# KiCad board Navigator-BMS.kicad_pcb
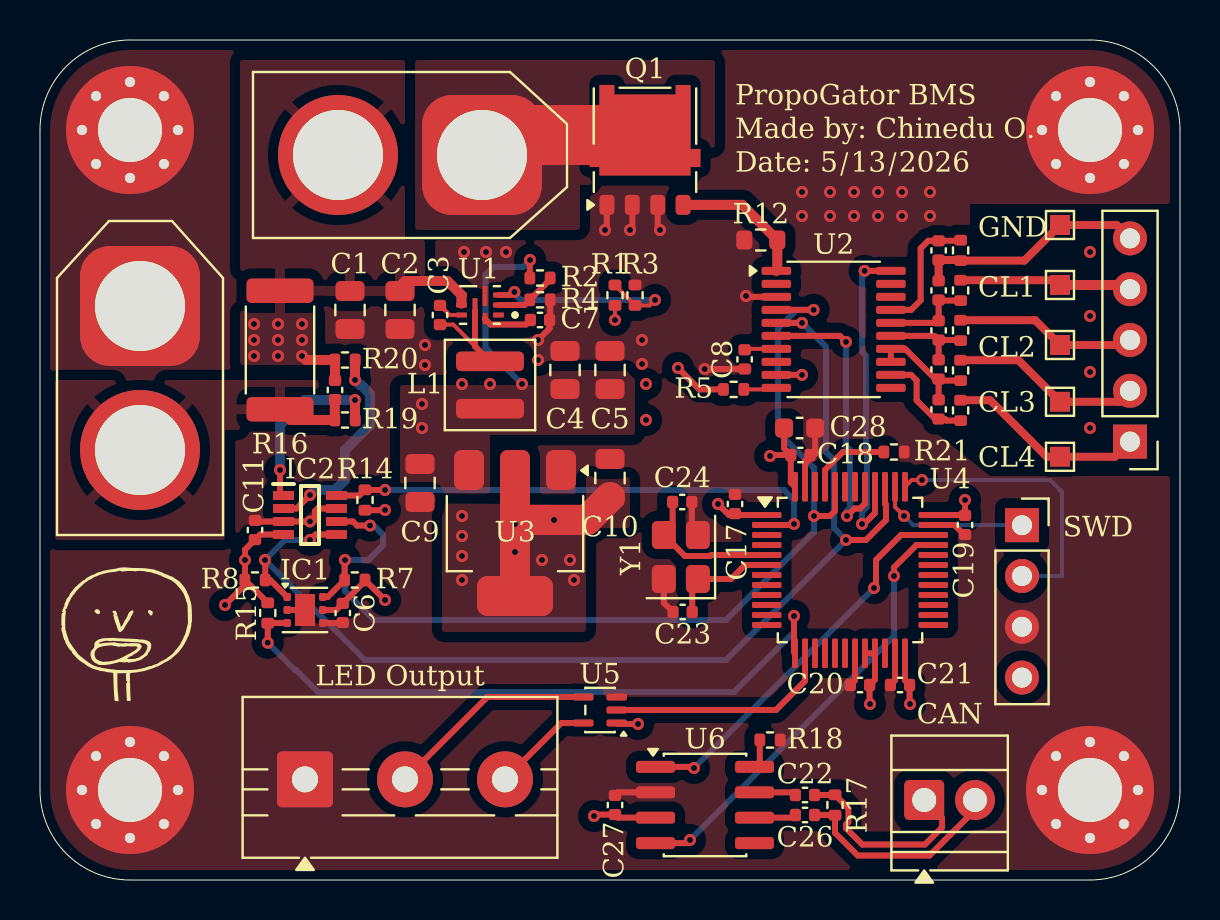
[diagram p0: board, top side]
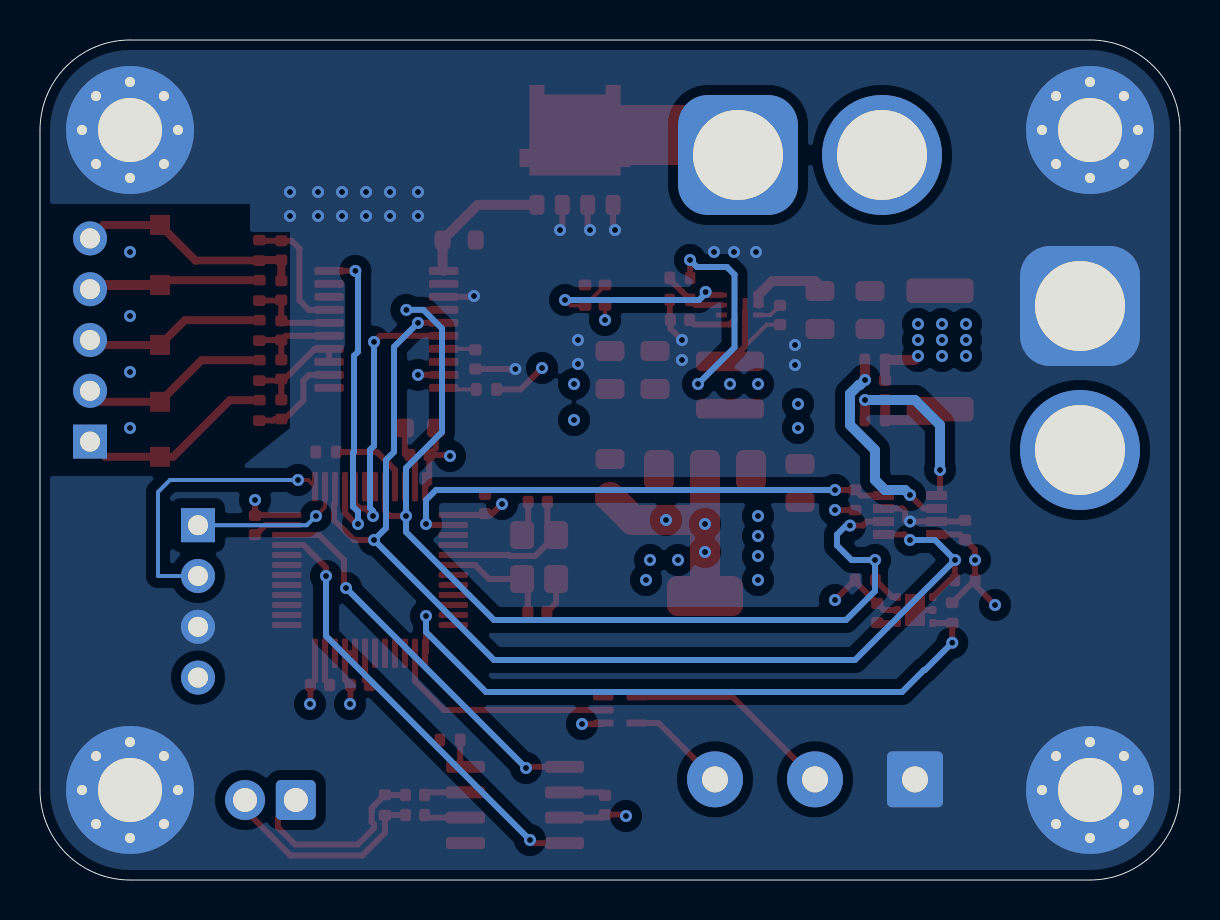
[diagram p1: board, bottom side, seen from below]

Outline 57 x 42 mm; copper layers: Top, In1.Cu, In2.Cu, Bottom. Coordinates in mm from the lower left corner of the outline.
Outline path: 0,37.5 arc(1.32,40.68) 4.5,42 52.5,42 arc(55.68,40.68) 57,37.5 57,4.5 arc(55.68,1.32) 52.5,0 4.5,0 arc(1.32,1.32) 0,4.5 0,37.5
Stack: Top 0.035mm / dielectric 0.1mm FR4 er 4.5 / In1.Cu 0.035mm / dielectric 1.24mm FR4 er 4.5 / In2.Cu 0.035mm / dielectric 0.1mm FR4 er 4.5 / Bottom 0.035mm

## Placement (name value [footprint] x y rotation side)
C1  22uF  [C_0805_2012Metric]  15.5 28.5 270 top
C2  22uF  [C_0805_2012Metric]  18 28.5 270 top
C3  100nF  [C_0402_1005Metric]  20 28.25 270 top
C4  47uF  [C_0805_2012Metric]  26.25 25.5 90 top
C5  47uF  [C_0805_2012Metric]  28.5 25.5 90 top
C6  100nF  [C_0402_1005Metric]  15.14 13.35 270 top
C7  10nF  [C_0402_1005Metric]  25 28 180 top
C8  C  [C_0402_1005Metric]  35.23 26.03 270 top
C9  10uF  [C_0805_2012Metric]  19 19.85 270 top
C10  10uF  [C_0805_2012Metric]  28.5 20.1 90 top
C11  100nF  [C_0402_1005Metric]  10.75 17.5 90 top
C12  1uF  [C_0402_1005Metric]  44.93 23.53 90 top
C13  1uF  [C_0402_1005Metric]  44.93 25.53 90 top
C14  1uF  [C_0402_1005Metric]  44.93 27.48 90 top
C15  1uF  [C_0402_1005Metric]  44.93 29.48 90 top
C16  1uF  [C_0402_1005Metric]  44.93 31.48 90 top
C17  100nF  [C_0402_1005Metric]  34.75 18.8 90 top
C18  100nF  [C_0402_1005Metric]  38.02 21.25 0 top
C19  100nF  [C_0402_1005Metric]  46.25 17.75 270 top
C20  100nF  [C_0402_1005Metric]  41 9.75 180 top
C21  100nF  [C_0402_1005Metric]  43 9.75 180 top
C22  500pF  [C_0402_1005Metric]  38.25 4.25 0 top
C23  30pF  [C_0402_1005Metric]  32.13 13.4 180 top
C24  30pF  [C_0402_1005Metric]  32.11 18.9 0 top
C25  100nF  [C_0402_1005Metric]  14.75 24.5 270 top
C26  500pF  [C_0402_1005Metric]  38.25 3.25 180 top
C27  100nF  [C_0402_1005Metric]  28.75 3.75 90 top
C28  4.7uF  [C_0603_1608Metric]  37.98 22.6 0 top
CAN  CAN  [TerminalBlock_Xinya_XY308-2.54-2P_1x02_P2.54mm_Horizontal]  44.21 4 0 top
CEEL1  T  [TestPoint_Pad_1.0x1.0mm]  51 29.75 0 top
CELL1  T  [TestPoint_Pad_1.0x1.0mm]  51 21.16 0 top
CELL2  T  [TestPoint_Pad_1.0x1.0mm]  51 23.91 0 top
CELL3  T  [TestPoint_Pad_1.0x1.0mm]  51 26.75 0 top
G***  LOGO  [feet pics]  4.75 12.75 0 top
GND1  T  [TestPoint_Pad_1.0x1.0mm]  51 32.75 0 top
H1  M1  [MountingHole_3.2mm_M3_Pad_Via]  4.5 37.5 0 top
H2  M2  [MountingHole_3.2mm_M3_Pad_Via]  52.5 37.5 0 top
H3  M3  [MountingHole_3.2mm_M3_Pad_Via]  52.5 4.5 0 top
H4  M4  [MountingHole_3.2mm_M3_Pad_Via]  4.5 4.5 0 top
IC1  TMP117xxDRV  [WSON-6-1EP_2x2mm_P0.65mm_EP1x1.6mm]  13.25 13.5 0 top
IC2  INA236AIDDFR  [SOP65P280X110-8N]  13.5 18.25 0 top
J1  Conn_01x05  [PinHeader_1x05_P2.54mm_Vertical]  54.5 21.92 180 top
J3  CAN  [AMASS_XT60-F_1x02_P7.20mm_Vertical]  5 28.7 270 top
J4  CAN  [AMASS_XT60-F_1x02_P7.20mm_Vertical]  22.1 36.25 180 top
L1  L  [L_Coilcraft_XAL4020-XXX]  22.5 24.75 270 top
LED Output  Conn_01x03  [TerminalBlock_MaiXu_MX126-5.0-03P_1x03_P5.00mm]  13.25 5.03 0 top
Q1  NTMFS016N06CT1G  [ONSemi_SO-8FL_488AA]  30.25 36.5 90 top
R1  47k  [R_0402_1005Metric]  28.75 29.24 90 top
R2  220k  [R_0402_1005Metric]  25 30.1 0 top
R3  10k  [R_0402_1005Metric]  29.75 29.24 90 top
R4  30k  [R_0402_1005Metric]  25 29.01 0 top
R5  100  [R_0402_1005Metric]  34.68 24.53 180 top
R6  100  [R_0402_1005Metric]  46.03 23.48 270 top
R7  4.7k  [R_0402_1005Metric]  15.74 15 180 top
R8  4.7k  [R_0402_1005Metric]  10.75 15 0 top
R9  100  [R_0402_1005Metric]  46.03 25.48 270 top
R10  100  [R_0402_1005Metric]  46.03 27.48 270 top
R11  100  [R_0402_1005Metric]  46.03 29.48 270 top
R12  1M  [R_0603_1608Metric]  36.04 32 180 top
R13  100  [R_0402_1005Metric]  46.03 31.48 90 top
R14  4.7k  [R_0402_1005Metric]  16.25 19 90 top
R15  4.7k  [R_0402_1005Metric]  11.39 13.35 270 top
R16  10m  [R_2512_6332Metric]  12 26.5 270 top
R17  120  [R_0402_1005Metric]  39.75 3.75 270 top
R18  0  [R_0402_1005Metric]  36.5 7 0 top
R19  100  [R_0402_1005Metric]  15.25 23 180 top
R20  100  [R_0402_1005Metric]  15.25 26 180 top
R21  4.7k  [R_0402_1005Metric]  42.7 21.4 180 top
SWD  Conn_01x04  [PinSocket_1x04_P2.54mm_Vertical]  49.1 17.74 0 top
U1  -  [TPS566238RQFR]  22 28.75 180 top
U2  BQ76920PW  [TSSOP-20_4.4x6.5mm_P0.65mm]  39.68 27.53 0 top
U3  AMS1117-3.3  [SOT-223-3_TabPin2]  23.75 17.35 270 top
U4  STM32G441CBTx  [LQFP-48_7x7mm_P0.5mm]  40.5 15.5 0 top
U5  SN74AUP1T34DCK  [SOT-353_SC-70-5]  28 8.5 180 top
U6  MCP2551-I-SN  [SOIC-8_3.9x4.9mm_P1.27mm]  33.25 3.75 0 top
Y1  Crystal_GND24  [Crystal_SMD_3225-4Pin_3.2x2.5mm]  32.04 16.15 90 top

## Library data of the parts
C1-C28 = -: Description: Unpolarized capacitor; KiLib_Generator: SMD_2terminal_chip_molded; ki_fp_filters: C_*
CAN = -: Description: Generic connector, single row, 01x02, script generated (kicad-library-utils/schlib/autogen/connector/); KiLib_Generator: terminal_block/Xinya; ki_fp_filters: Connector*:*_1x??_*
CEEL1 CELL1-CELL3 GND1 = -: Description: test point; ki_fp_filters: Pin* Test*
H1-H4 = -: Description: Mounting Hole with connection; KiLib_Generator: mounting_hardware/mounting_hole; ki_fp_filters: MountingHole*Pad*
IC1 = -: Datasheet: https://www.ti.com/lit/ds/symlink/tmp117.pdf; Description: Digital Temperature Sensor with I2C/SMBus Interface, 16 bits, ±0.3°C, one-shot conversion, alert, nist traceable, EEPROM, WSON; KiLib_Generator: package/no_lead; ki_fp_filters: WSON*1EP?2x2mm?P0.65mm?EP1x1.6mm*
IC2 = -: Datasheet: https://www.ti.com/lit/ds/symlink/ina232.pdf?ts=1699312390876&ref_url=https%253A%252F%252Fwww.ti.com%252Fproduct%252FINA232%253Futm_source%253Dgoogle%2526utm_medium%253Dcpc%2526utm_campaign%253Dasc-null-null-GPN_EN-cpc-pf-google-wwe_cons%2526utm_content%2; Description: Current & Power Monitors & Regulators 48-V, 16-bit high-precision IC output digital power monitor with alert; Height: 1.1; Mouser Part Number: 595-INA232BIDDFR; Mouser Price/Stock: https://www.mouser.co.uk/ProductDetail/Texas-Instruments/INA232BIDDFR?qs=17ckDYBRdelmwH1njZdaQw%3D%3D; Manufacturer_Name: Texas Instruments; Manufacturer_Part_Number: INA232BIDDFR
J1 = -: Description: Generic connector, single row, 01x05, script generated (kicad-library-utils/schlib/autogen/connector/); KiLib_Generator: connector/pin_header_socket; ki_fp_filters: Connector*:*_1x??_*
J3 J4 = -: Description: Generic connector, single row, 01x02, script generated (kicad-library-utils/schlib/autogen/connector/); ki_fp_filters: Connector*:*_1x??_*
L1 = -: Description: Inductor; KiLib_Generator: inductor/SMD; ki_fp_filters: Choke_* *Coil* Inductor_* L_*
LED Output = -: Description: Generic connector, single row, 01x03, script generated (kicad-library-utils/schlib/autogen/connector/); KiLib_Generator: terminal_block/MaiXu; ki_fp_filters: Connector*:*_1x??_*
Q1 = -: Datasheet: https://www.onsemi.com/download/data-sheet/pdf/NTMFS016N06C-D.pdf; Description: 33A Id, 60V Vds, N-Channel Power MOSFET, 15.6mOhm Ron, -55 to 175 °C, SO-8FL; ki_fp_filters: ONSemi_SO*8FL_488AA*
R1-R21 = -: Description: Resistor; KiLib_Generator: SMD_2terminal_chip_molded; ki_fp_filters: R_*
SWD = -: Description: Generic connector, single row, 01x04, script generated (kicad-library-utils/schlib/autogen/connector/); KiLib_Generator: connector/pin_header_socket; ki_fp_filters: Connector*:*_1x??_*
U1 = -: PARTREV: A; MANUFACTURER: Texas Instruments; MAXIMUM_PACKAGE_HEIGHT: 1.1mm; STANDARD: Manufacturer Recommendations
U2 = -: Datasheet: http://www.ti.com/lit/ds/symlink/bq76920.pdf; Description: Lithium battery monitor, 3-5 cells, integrated balancing, I2C interface, TSSOP-20; KiLib_Generator: package/gullwing; ki_fp_filters: TSSOP*4.4x6.5mm*P0.65mm*
U3 = -: Datasheet: http://www.advanced-monolithic.com/pdf/ds1117.pdf; Description: 1A Low Dropout regulator, positive, 3.3V fixed output, SOT-223; ki_fp_filters: SOT?223*TabPin2*
U4 = -: Datasheet: https://www.st.com/resource/en/datasheet/stm32g441cb.pdf; Description: STMicroelectronics Arm Cortex-M4 MCU, 128KB flash, 32KB RAM, 170 MHz, 1.71-3.6V, 38 GPIO, LQFP48; KiLib_Generator: package/gullwing; ki_fp_filters: LQFP*7x7mm*P0.5mm*
U5 = -: Datasheet: http://www.ti.com/lit/ds/symlink/sn74aup1t34.pdf; Description: 1-Bit Unidirectional Voltage-Level Translator, SC-70; KiLib_Generator: package/gullwing; ki_fp_filters: SOT*353*
U6 = -: Datasheet: http://ww1.microchip.com/downloads/en/devicedoc/21667d.pdf; Description: High-Speed CAN Transceiver, 1Mbps, 5V supply, SOIC-8; KiLib_Generator: package/gullwing; ki_fp_filters: SOIC*3.9x4.9mm*P1.27mm*
Y1 = -: Description: Four pin crystal, GND on pins 2 and 4; KiLib_Generator: crystal_resonator_oscillator; ki_fp_filters: Crystal*

## Footprints (pads in the part's own frame, mm; a bottom-side part is the same pattern mirrored in y, then rotated)
AMASS_XT60-F_1x02_P7.20mm_Vertical
  rrect 6x6 hole 4.5: 1(0,0)
  round 6 hole 4.5: 2(7.2,0)
C_0402_1005Metric
  rrect 0.56x0.62 smd: 1(-0.48,0) 2(0.48,0)
C_0603_1608Metric
  rrect 0.9x0.95 smd: 1(-0.775,0) 2(0.775,0)
C_0805_2012Metric
  rrect 1x1.45 smd: 1(-0.95,0) 2(0.95,0)
Crystal_SMD_3225-4Pin_3.2x2.5mm
  rrect 1.4x1.2 smd: 1(-1.1,-0.85) 2(1.1,-0.85) 3(1.1,0.85) 4(-1.1,0.85)
L_Coilcraft_XAL4020-XXX
  rrect 0.98x3.4 smd: 1(-1.185,0) 2(1.185,0)
LQFP-48_7x7mm_P0.5mm
  rrect 1.475x0.3 smd: 1(-4.162,2.75) 2(-4.162,2.25) 3(-4.162,1.75) 4(-4.162,1.25) 5(-4.162,0.75) 6(-4.162,0.25) 7(-4.162,-0.25) 8(-4.162,-0.75) 9(-4.162,-1.25) 10(-4.162,-1.75) 11(-4.162,-2.25) 12(-4.162,-2.75) 25(4.162,-2.75) 26(4.162,-2.25) 27(4.162,-1.75) 28(4.162,-1.25) 29(4.162,-0.75) 30(4.162,-0.25) 31(4.162,0.25) 32(4.162,0.75) 33(4.162,1.25) 34(4.162,1.75) 35(4.162,2.25) 36(4.162,2.75)
  rrect 0.3x1.475 smd: 13(-2.75,-4.162) 14(-2.25,-4.162) 15(-1.75,-4.162) 16(-1.25,-4.162) 17(-0.75,-4.162) 18(-0.25,-4.162) 19(0.25,-4.162) 20(0.75,-4.162) 21(1.25,-4.162) 22(1.75,-4.162) 23(2.25,-4.162) 24(2.75,-4.162) 37(2.75,4.162) 38(2.25,4.162) 39(1.75,4.162) 40(1.25,4.162) 41(0.75,4.162) 42(0.25,4.162) 43(-0.25,4.162) 44(-0.75,4.162) 45(-1.25,4.162) 46(-1.75,4.162) 47(-2.25,4.162) 48(-2.75,4.162)
MountingHole_3.2mm_M3_Pad_Via
  round 0.8 hole 0.5: 1(-2.4,0) 1(-1.697,1.697) 1(-1.697,-1.697) 1(0,2.4) 1(0,-2.4) 1(1.697,1.697) 1(1.697,-1.697) 1(2.4,0)
  round 6.4 hole 3.2: 1(0,0)
ONSemi_SO-8FL_488AA
  rrect 1x0.75 smd: 1(-2.747,1.905) 2(-2.747,0.635) 3(-2.747,-0.635) 4(-2.747,-1.905)
  custom 4.53x5.55 smd: 5(0.745,0)
PinHeader_1x05_P2.54mm_Vertical
  rect 1.7x1.7 hole 1: 1(0,0)
  round 1.7 hole 1: 2(0,-2.54) 3(0,-5.08) 4(0,-7.62) 5(0,-10.16)
PinSocket_1x04_P2.54mm_Vertical
  rect 1.7x1.7 hole 1: 1(0,0)
  round 1.7 hole 1: 2(0,-2.54) 3(0,-5.08) 4(0,-7.62)
R_0402_1005Metric
  rrect 0.54x0.64 smd: 1(-0.51,0) 2(0.51,0)
R_0603_1608Metric
  rrect 0.8x0.95 smd: 1(-0.825,0) 2(0.825,0)
R_2512_6332Metric
  rrect 1.225x3.35 smd: 1(-2.962,0) 2(2.962,0)
SOIC-8_3.9x4.9mm_P1.27mm
  rrect 1.95x0.6 smd: 1(-2.475,1.905) 2(-2.475,0.635) 3(-2.475,-0.635) 4(-2.475,-1.905) 5(2.475,-1.905) 6(2.475,-0.635) 7(2.475,0.635) 8(2.475,1.905)
SOP65P280X110-8N
  rect 1.05x0.45 smd: 1(-1.325,0.975) 2(-1.325,0.325) 3(-1.325,-0.325) 4(-1.325,-0.975) 5(1.325,-0.975) 6(1.325,-0.325) 7(1.325,0.325) 8(1.325,0.975)
SOT-223-3_TabPin2
  rrect 2x1.5 smd: 1(-3.15,2.3) 2(-3.15,0) 3(-3.15,-2.3)
  rrect 2x3.8 smd: 2(3.15,0)
SOT-353_SC-70-5
  rrect 1.025x0.35 smd: 1(-0.838,0.65) 2(-0.838,0) 3(-0.838,-0.65) 4(0.838,-0.65) 5(0.838,0.65)
TerminalBlock_MaiXu_MX126-5.0-03P_1x03_P5.00mm
  rrect 2.8x2.8 hole 1.3: 1(0,0)
  round 2.8 hole 1.3: 2(5,0) 3(10,0)
TerminalBlock_Xinya_XY308-2.54-2P_1x02_P2.54mm_Horizontal
  rrect 2x2 hole 1.2: 1(0,0)
  round 2 hole 1.2: 2(2.54,0)
TestPoint_Pad_1.0x1.0mm
  rect 1x1 smd: 1(0,0)
TPS566238RQFR
  rrect 0.55x0.25 smd: 1(-0.925,0.5) 2(-0.925,0) 3(-0.925,-0.5) 5(0.925,-0.5) 6(0.925,0) 7(0.925,0.5)
  rrect 0.25x1 smd: 4(-0.25,-0.45)
  rrect 0.25x1.3 smd: 8(0.25,0.3)
  rrect 0.25x0.55 smd: 9(-0.25,0.675)
TSSOP-20_4.4x6.5mm_P0.65mm
  rrect 1.475x0.4 smd: 1(-2.862,2.925) 2(-2.862,2.275) 3(-2.862,1.625) 4(-2.862,0.975) 5(-2.862,0.325) 6(-2.862,-0.325) 7(-2.862,-0.975) 8(-2.862,-1.625) 9(-2.862,-2.275) 10(-2.862,-2.925) 11(2.862,-2.925) 12(2.862,-2.275) 13(2.862,-1.625) 14(2.862,-0.975) 15(2.862,-0.325) 16(2.862,0.325) 17(2.862,0.975) 18(2.862,1.625) 19(2.862,2.275) 20(2.862,2.925)
WSON-6-1EP_2x2mm_P0.65mm_EP1x1.6mm
  rrect 0.81x0.64 smd: (0,0.4) (0,-0.4)
  rrect 0.375x0.4 smd: 1(-0.887,0.65) 2(-0.887,0) 3(-0.887,-0.65) 4(0.887,-0.65) 5(0.887,0) 6(0.887,0.65)
  rect 1x1.6 smd: 7(0,0)

## Nets
+3.3V: C6.1 C10.1 C11.1 C17.1 C18.1 C19.1 C20.1 C21.1 C27.1 C28.1 IC1.5 IC2.4 R7.1 R8.1 R14.1 R15.1 SWD.4 U3.2 U4.1 U4.20 U4.21 U4.24 U4.36 U4.48 U5.1 U6.3
+5V: C4.1 C5.1 C9.1 L1.2 LED Output.3 R2.1 U3.3 U5.5
+14V: C1.1 C2.1 C25.1 J4.2 R1.1 R5.2 R16.1 R20.2 U1.5 U1.6 U2.9
GND: C1.2 C2.2 C4.2 C5.2 C6.2 C7.1 C8.2 C9.2 C10.2 C11.2 C17.2 C18.2 C19.2 C20.2 C21.2 C23.2 C24.2 C27.2 C28.2 H1.1 H2.1 H3.1 H4.1 IC1.2 IC1.4 IC1.7 IC2.3 IC2.7 J3.1 LED Output.1 Q1.1 Q1.2 Q1.3 R3.2 R4.2 R12.2 R18.2 R21.1 SWD.3 U1.4 U2.3 U3.1 U4.19 U4.23 U4.35 U4.47 U5.3 U6.2 Y1.2 Y1.4
+BAT: C25.2 J3.2 R16.2 R19.2
BQ76920-ALERT: U2.20 U4.40
BQ76920-BOOT: U2.6 U4.41
CAN+: C22.2 CAN.1 R17.1
CAN-: C26.1 CAN.2 R17.2
CAN-RX: U4.33 U6.4
CAN-TX: U4.34 U6.1
CELL0: C15.2 C16.1 GND1.1 J1.5 R13.1
CELL1: CEEL1.1 J1.4 R11.1
CELL1-F: C14.2 C15.1 R11.2 U2.16
CELL2: CELL3.1 J1.3 R10.1
CELL2-F: C13.2 C14.1 R10.2 U2.15
CELL3: CELL2.1 J1.2 R9.1
CELL3-F: C12.2 C13.1 R9.2 U2.13 U2.14
CELL4: CELL1.1 J1.1 R6.1
CELL4-F: C12.1 R6.2 U2.12
DSG: Q1.4 R12.1 U2.1
I2C-SCL-1: IC1.1 IC2.5 R8.2 U2.5 U4.39
I2C-SDA-1: IC1.6 IC2.6 R7.2 U2.4 U4.44
INA236-ALERT: IC2.8 R14.2 U4.2
LED-3.3V: U4.14 U5.2
LED-5V: LED Output.2 U5.4
Load: J4.1 Q1.5
PACK-: C16.2 R13.2 U2.17
RCC-IN: C24.1 U4.5 Y1.3
RCC-OUT: C23.1 U4.6 Y1.1
SHUNT+: IC2.1 R19.1
SHUNT-: IC2.2 R20.1
SWD-SWCLK: SWD.1 U4.38
SWD-SWDIO: SWD.2 U4.37
TMP117-ALERT: IC1.3 R15.2 U4.13
Net-(U1-BST): C3.1 U1.7
Net-(U1-EN): R1.2 R3.1 U1.3
Net-(U1-FB): R2.2 R4.1 U1.2
Net-(U1-SS): C7.2 U1.9
Net-(U1-SW): C3.2 L1.1 U1.8
Net-(U2-BAT): R5.1 U2.10
Net-(U2-CAP1): C8.1 U2.7
Net-(U4-PB8): R21.2 U4.45
Net-(U6-CANH): C22.1 U6.7
Net-(U6-CANL): C26.2 U6.6
Net-(U6-Rs): R18.1 U6.8

Pads without a net: U1 1; U2 2 8 11 18 19; U4 3 4 7 8 9 10 11 12 15 16 17 18 22 25 26 27 28 29 30 31 32 42 43 46; U6 5

## Via types
v1: diameter 0.6, hole 0.3, Top to Bottom, 100 vias

## Routing (per net, layer and track width the routed paths; a pad name or vN(x,y) marks a point on that pad's centre or on a via; arc(x,y) is an arc through that point)
+3.3V: length 43.4
  Top w0.3: U5.1 28.89,7.8 v1(29.9,7.8) ; v1(27.7,3.2) 27.77,3.27 C27.1 28.91,3.12 U6.3 ; R8.1 10.24,14.74 v1(9.25,13.75) ; R8.1 10.25,15 R15.1 ; R8.1 10.25,15.01 v1(10.25,16) 10.25,16.52 C11.1 11,17.27 IC2.4 ; v1(41.5,8.8) 41.48,8.82 C20.1 41.75,10.02 U4.21 U4.20 ; 35.1,18.25 34.45,18.25 v1(33.9,18.8) ; 35.1,18.25 34.77,18.25 34.75,18.23 ; 35.1,18.25 U4.1 ; C18.1 36.55,21.25 v1(36.5,21.2) ; C18.1 37.2,21.59 C28.1 ; C18.1 37.54,19.87 U4.48 ; R14.1 17.24,18.49 v1(17.25,18.5) ; v1(43.5,8.8) 43.48,8.82 C21.1 43.25,9.98 U4.24 ; v1(17.25,14) R7.1 16.25,14.94 C6.1 14.81,13.5 IC1.5 ; v1(46.25,19) C19.1 46.23,18.25 U4.36
  Top w1.5: 23.75,18 v1(25.7,18) 27.35,18 C10.1 ; 23.75,18 v1(23.75,17.8) v1(23.75,16.4) U3.2 ; 23.75,18 U3.2
  vias: v1(21.1,18.2) v1(21.1,17.2) v1(21.1,16.2) v1(21.1,15) v1(25.1,16) v1(26.5,16) v1(26.7,15)
+5V: length 35.2
  Top w0.3: LED Output.3 26.07,7.85 U5.5 ; v1(24.5,31) 24.49,30.99 R2.1
  In2.Cu w1: LED Output.3 19.1,9.18 v1(19.1,23.8)
  Bottom w0.3: v1(24.1,24.8) 22.28,26.62 22.28,30.27 22.66,30.65 24.15,30.65 v1(24.5,31)
  vias: v1(19.1,22.6) v1(21.1,24.8) v1(22.5,24.8) v1(30.3,24.8) v1(30.3,23)
+14V: length 11.7
  Top w0.2: R1.1 v1(28.75,28)
  Top w0.3: v1(38.1,25.26) U2.9 ; R5.2 32.97,24.53 v1(31.9,25.6)
  Top w0.5: 17.75,29.45 18.25,29.95 20.38,29.95 U1.5 21.08,28.83 ; v1(13.1,26.2) 13.3,26 R20.2 14.75,25.99 C25.1
  vias: v1(10.7,27.8) v1(10.7,27) v1(10.7,26.2) v1(11.9,27.8) v1(11.9,27) v1(11.9,26.2) v1(13.1,27.8) v1(13.1,27)
GND: length 31.1
  Top w0.3: 38.25,20.8 U4.47 ; 38.25,20.8 38.75,21.3 C28.2 ; 38.25,20.8 38.25,20.95 38.5,21.2 C18.2 ; C23.2 31.19,13.86 Y1.4 ; v1(35.3,29.2) 35.34,29.16 U2.3 ; Q1.3 30.89,32.61 v1(31,32.5) ; C20.2 40.75,9.98 U4.19 ; v1(28.25,32.5) 28.34,32.59 Q1.1 ; v1(24.9,27) 25.48,27.58 C7.1 25.51,28.03 R4.2 ; C11.2 10.81,17.92 IC2.3 v1(13.5,17.92) 13.67,17.92 13.75,18 13.75,18.45 13.88,18.58 IC2.7 ; C6.2 15.12,12.85 IC1.4 ; Y1.2 32.59,17.55 C24.2 ; IC1.2 IC1.7 ; C27.2 28.91,4.38 U6.2 ; U4.23 42.75,9.98 C21.2 ; Q1.2 29.61,32.61 v1(29.5,32.5) ; U4.35 45.72,17.75 46.2,17.27 C19.2 ; C8.2 v1(33.23,25.55) 33.45,25.55 33.5,25.5
  vias: v1(19.25,26.75) v1(19.25,25.75) v1(21.2,31.4) v1(22.3,31.4) v1(23.3,31.4) v1(24.9,26) v1(30.1,27) v1(30.1,25.8) v1(38.1,34.4) v1(38.1,33.2) v1(39.5,34.4) v1(39.5,33.2) v1(40.7,34.4) v1(40.7,33.2) v1(41.9,34.4) v1(41.9,33.2) v1(43.1,34.4) v1(43.1,33.2) v1(44.5,34.4) v1(44.5,33.2) v1(52.5,31.4) v1(52.5,28.2) v1(52.5,25.4) v1(52.5,22.6)
+BAT: length 4
  Top w0.5: C25.2 14.74,24.01 R19.2 12.54,23 R16.2
BQ76920-ALERT: length 16.4
  Top w0.3: U4.40 41.75,18.35 41.2,17.8 v1(41.1,17.8) ; U2.20 v1(41.23,30.45)
  Bottom w0.3: v1(41.23,30.45) 41.1,30.32 41.1,26.41 41.3,26.21 41.3,21.41 41.35,21.36 41.35,18.67 41.1,18.42 v1(41.1,17.8)
BQ76920-BOOT: length 14.5
  Top w0.3: v1(40.3,26.9) 40,27.2 U2.6 ; U4.41 41.25,18.82 41,18.58 40.72,18.58 v1(40.35,18.2)
  Bottom w0.3: v1(40.3,26.9) 40.3,21.71 40.5,21.51 40.5,18.6 40.35,18.45 v1(40.35,18.2)
CAN+: length 10.3
  Top w0.3: CAN.1 45.1,3.11 45.1,2.63 44.25,1.77 41.11,1.77 40.3,2.59 40.3,2.78 40.42,2.9 40.42,3.58 40.3,3.7 40.3,3.71 R17.1 39.74,4.25 C22.2
CAN-: length 10.8
  Top w0.3: CAN.2 46.75,3.5 44.47,1.23 40.89,1.23 39.75,2.36 R17.2 39.74,3.25 C26.1
CAN-RX: length 22.1
  Top w0.3: U6.4 32.34,1.84 v1(32.5,2) ; U4.33 43.82,16.75 42.7,15.63 v1(42.7,15.2)
  Bottom w0.3: v1(32.5,2) 42.7,12.2 v1(42.7,15.2)
CAN-TX: length 19.5
  Top w0.3: v1(41.7,14.6) 41.8,14.7 41.8,16 43.05,17.25 U4.34 ; U6.1 32.64,5.66 v1(32.7,5.6)
  Bottom w0.3: v1(41.7,14.6) v1(32.7,5.6)
CELL0: length 11.6
  Top w0.4: J1.5 53.83,32.75 GND1.1 49.22,30.97 R13.1 46,31 C16.1 C15.2
CELL1: length 9
  Top w0.4: R11.1 50.76,29.99 CEEL1.1
  Top w0.5: 50.79,29.96 CEEL1.1 54.29,29.75 J1.4
CELL1-F: length 4.6
  Top w0.3: R11.2 44.96,28.97 C15.1 C14.2 44.83,27.85 U2.16
CELL2: length 9.1
  Top w0.4: J1.3 54.25,26.75 CELL3.1 49.76,27.99 R10.1
CELL2-F: length 4.6
  Top w0.3: C14.1 44.73,27.2 U2.15 ; C14.1 46,27 R10.2 ; C14.1 C13.2
CELL3: length 9.6
  Top w0.4: R9.1 48.92,25.99 CELL2.1 53.95,23.91 J1.2
CELL3-F: length 5.8
  Top w0.3: U2.13 U2.14 43.26,26.55 44.76,25.05 C13.1 ; R9.2 45.01,24.97 C13.1 ; C13.1 C12.2
CELL4: length 10
  Top w0.4: J1.1 53.74,21.16 CELL1.1 50.34,21.16 47.51,23.99 R6.1
CELL4-F: length 4.7
  Top w0.3: R6.2 45.33,22.97 45.25,23.05 45.08,23.05 ; 44.76,23.05 43.83,23.98 43.83,24.98 43.56,25.26 U2.12
DSG: length 7
  Top w0.5: U2.1 36.87,30.5 R12.1 35.11,33.76 Q1.4
I2C-SCL-1: length 57.4
  Top w0.2: 36.74,27.78 U2.5
  Top w0.3: IC2.5 13.78,17.27 v1(13.5,17) ; v1(38.1,27.85) U2.5 ; IC1.1 11.51,15 R8.2 11.26,15.99 v1(11.25,16) ; v1(40.3,17) 41.3,17 42.3,18 42.3,18.77 42.25,18.82 U4.39
  Bottom w0.3: v1(38.1,27.85) 39.3,26.66 39.3,21.4 39.7,21 39.7,17.6 v1(40.3,17) 34.3,11 16.25,11 v1(11.25,16) 12.25,17 v1(13.5,17)
I2C-SDA-1: length 52.5
  Top w0.3: IC1.6 14.38,14.15 R7.2 15.23,15.98 v1(15.25,16) ; v1(38.68,28.51) U2.4 ; v1(38.7,18.2) 39.5,18.2 39.75,18.45 U4.44 ; v1(16.5,17.72) 15.85,17.72 15.65,17.92 IC2.6
  Bottom w0.3: v1(16.5,17.72) 16.7,17.72 17.15,17.27 17.15,16.73 16.42,16 v1(15.25,16) 15.25,14.45 16.7,13 34.3,13 38.7,17.4 v1(38.7,18.2) 38.7,20.6 36.9,22.4 36.9,27.57 37.83,28.51 v1(38.68,28.51)
INA236-ALERT: length 25.8
  Top w0.3: IC2.8 15.97,19.23 R14.2 16.26,19.5 v1(17.25,19.5) ; U4.2 37.65,17.75 v1(37.7,17.8)
  Bottom w0.3: v1(17.25,19.5) 37.2,19.5 37.7,19 v1(37.7,17.8)
LED-3.3V: length 11.4
  Top w0.3: U4.14 38.25,9.95 36.8,8.5 U5.2
LED-5V: length 10.6
  Top w0.3: U5.4 22.37,9.15 LED Output.2
Load: length 10
  Top w1: 29.25,36.25 Q1.5
  Top w3: Q1.5 23.1,37.25 J4.1
PACK-: length 6.5
  Top w0.3: U2.17 43.56,28.51 44.03,28.98 44.03,31.58 44.41,31.96 C16.2 46,31.96 R13.2
RCC-IN: length 7.4
  Top w0.3: U4.5 33.55,16.25 33.5,16.2 32.24,16.2 Y1.3 31.63,17.69 C24.1
RCC-OUT: length 6.3
  Top w0.3: 35.5,15.75 U4.6 35.25,15.75 34.55,15.05 Y1.1 32.61,14.77 C23.1
SHUNT+: length 8.9
  Top w0.3: IC2.1 12,19.4 v1(12,20.5)
  Top w0.5: R19.1 15.75,23.01 v1(15.75,24)
  Bottom w0.5: v1(15.75,24) 13.25,24 12,22.75 v1(12,20.5)
SHUNT-: length 10.5
  Top w0.3: v1(13.5,19.25) 12.83,18.58 IC2.2
  Top w0.5: R20.1 15.75,25.99 v1(15.75,25)
  Bottom w0.5: v1(15.75,25) 16,24.75 16.06,24.75 16.5,24.31 16.5,22.75 15.25,21.5 15.25,20 14.75,19.5 13.75,19.5 v1(13.5,19.25)
SWD-SWCLK: length 7.7
  Top w0.2: v1(43.2,18.2) 42.75,18.65 U4.38
  Bottom w0.2: v1(43.2,18.2) 43.66,17.74 SWD.1
SWD-SWDIO: length 14.4
  Top w0.2: v1(44.1,20) 43.59,20 U4.37
  Bottom w0.2: v1(44.1,20) 50.5,20 51.1,19.4 51.1,15.2 SWD.2
TMP117-ALERT: length 33.2
  Top w0.3: v1(37.7,13.2) 37.7,11.39 U4.13 ; v1(11.39,11.86) R15.2 11.4,12.85 IC1.3
  Bottom w0.3: v1(11.39,11.86) 12.75,10.5 12.8,10.5 13.9,9.4 34.7,9.4 37.7,12.4 v1(37.7,13.2)
Net-(U1-BST): length 1.3
  Top w0.2: U1.7 20.48,28.25 C3.1
Net-(U1-EN): length 10.6
  Top w0.2: R1.2 28.75,29.73 R3.1 30.48,28.73 v1(30.75,29)
  Top w0.3: v1(23.72,29.4) 23.64,29.4 23.49,29.25 U1.3
  Bottom w0.3: v1(23.72,29.4) 23.72,29.32 24.04,29 v1(30.75,29)
Net-(U1-FB): length 3.2
  Top w0.3: U1.2 24.23,28.75 R4.1 25.51,30.03 R2.2
Net-(U1-SS): length 2.5
  Top w0.3: U1.9 22.25,28.05 22.52,27.77 24.3,27.77 C7.2
Net-(U1-SW): length 6.1
  Top w0.2: L1.1 20.67,27.77 C3.2
  Top w0.3: U1.8 21.75,26.69 L1.1
Net-(U2-BAT): length 1.7
  Top w0.2: R5.1 36.74,24.53 36.82,24.6
Net-(U2-CAP1): length 1.5
  Top w0.2: U2.7 35.28,26.55
Net-(U4-PB8): length 4.2
  Top w0.3: U4.45 39.25,20.5 40.15,21.4 R21.2
Net-(U6-CANH): length 2.1
  Top w0.3: C22.1 37.64,4.38 U6.7
Net-(U6-CANL): length 2.1
  Top w0.3: C26.2 37.64,3.12 U6.6
Net-(U6-Rs): length 1.5
  Top w0.3: R18.1 35.99,5.92 U6.8

## Copper pours and planes (outline as drawn; the poured copper is in the pictures)
+3.3V on Top: 20.1,12.4 27.3,12.4 27.3,17.6 29.5,17.6 29.5,20.2 27.3,20.2 27.3,18.77 20.1,18.83
+3.3V on In2.Cu: 53.5,0 55.5,0.8 56.3,1.8 56.9,3 57.1,4.2 57.1,38.2 56.3,40 55.7,40.8 54.5,41.6 53.3,42 3.7,42 2.1,41.4 1.3,40.8 0.3,39.4 -0.1,37.6 -0.1,4.2 0.5,2.4 1.1,1.4 2.9,0.2 3.9,0
+5V on Top: 18,19.75 18,24.75 24.75,24.75 24.75,25.5 29.75,25.5 29.75,22.25 22.5,22.25 22.5,19.25 20,19.25 20,19.75
+5V on In2.Cu: 18,25.35 18,19.75 20.3,19.75 20.3,19.25 22.5,19.25 22.5,22.25 30.7,22.25 30.7,25.4
+14V on Top: 10,25.75 10,41 18.25,41 18.25,32 19.25,32 19.25,28.5 13.75,28.5 13.75,25.75
+14V on In2.Cu: 10,25.75 10,41 33.75,41 33.75,26.25 38.75,26.25 38.75,23.75 30.8,23.75 30.8,27.5 14,27.5 14,25.75
GND on Top, Bottom, In1.Cu: 3.9,0 2.9,0.2 1.9,0.8 1.1,1.4 0.5,2.4 0.1,3.4 -0.1,4.2 -0.1,37.6 0.1,38.6 0.3,39.4 0.9,40.2 1.3,40.8 2.1,41.4 3.1,41.8 4.1,42 53.3,42 54.5,41.6 55.7,40.8 56.3,40 56.7,39.2 57.1,38.2 57.1,4.2 56.9,3 56.3,1.8 55.5,0.8 53.5,0
+BAT on Top: 0.75,25 0.75,17 9.25,17 9.25,22.5 14,22.5 14,25
Load on Top: 18.75,32.5 18.75,41 33.75,41 33.75,34.75 27,34.75 27,32.5

## Text on the board
F.Silkscreen: PropoGator BMS / Made by: Chinedu O. / Date: 5/13/2026 | GND | CL1 | CL2 | CL3 | CL4
